# Altium PCB [CC2538] PCB v2.PcbDoc
Units mil, origin at the board's own origin, x right, y up, seen from the top; angles counter-clockwise.
Board outline 2660 x 2800 mil, 2 copper layers (Top Layer, Bottom Layer); 61 components, 74 nets, 250 pads, 183 vias.
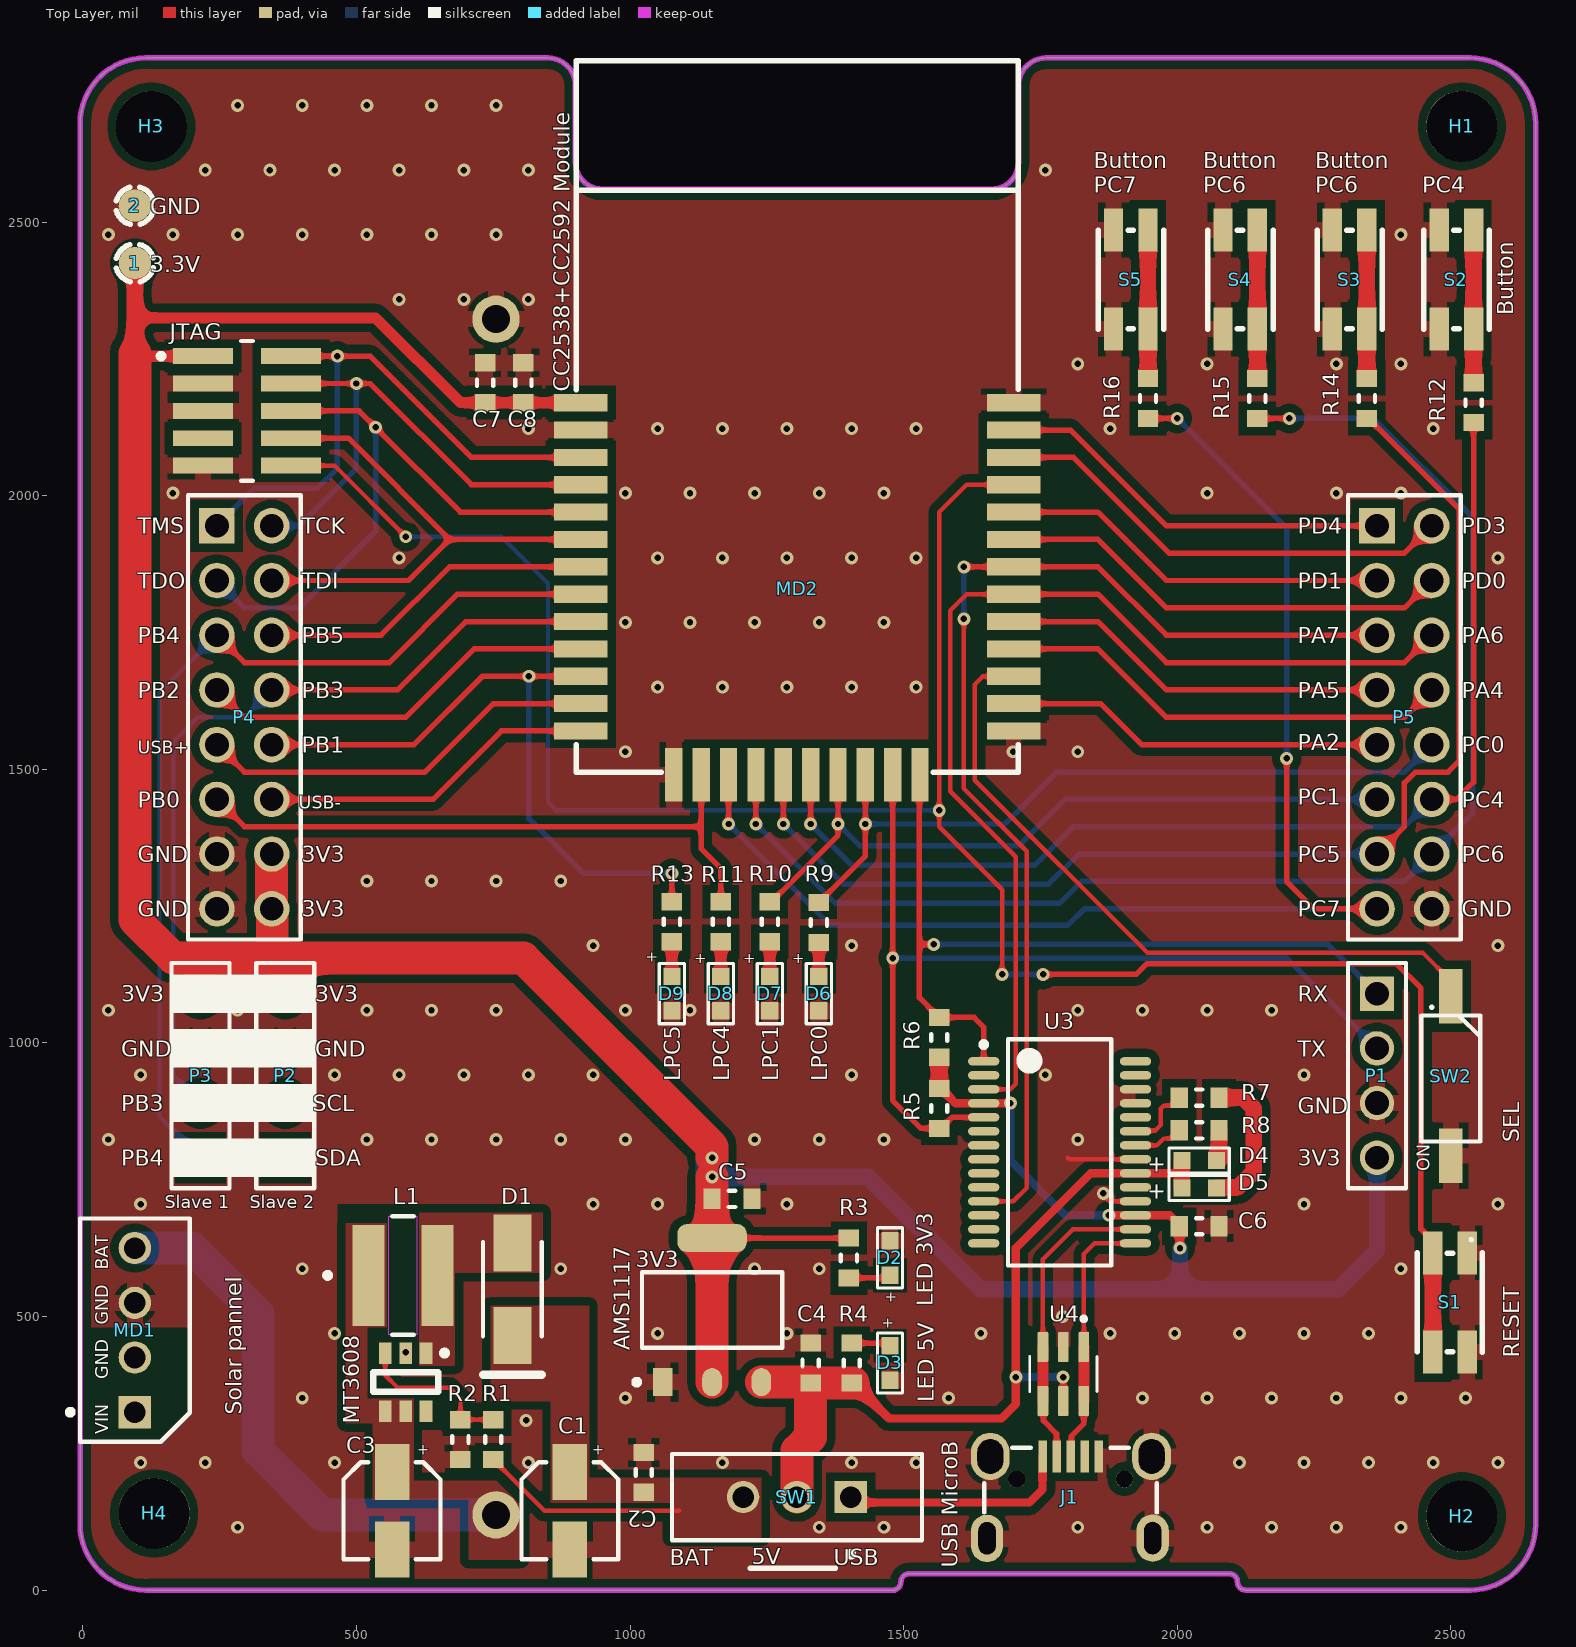
[diagram p0: Top Layer view]
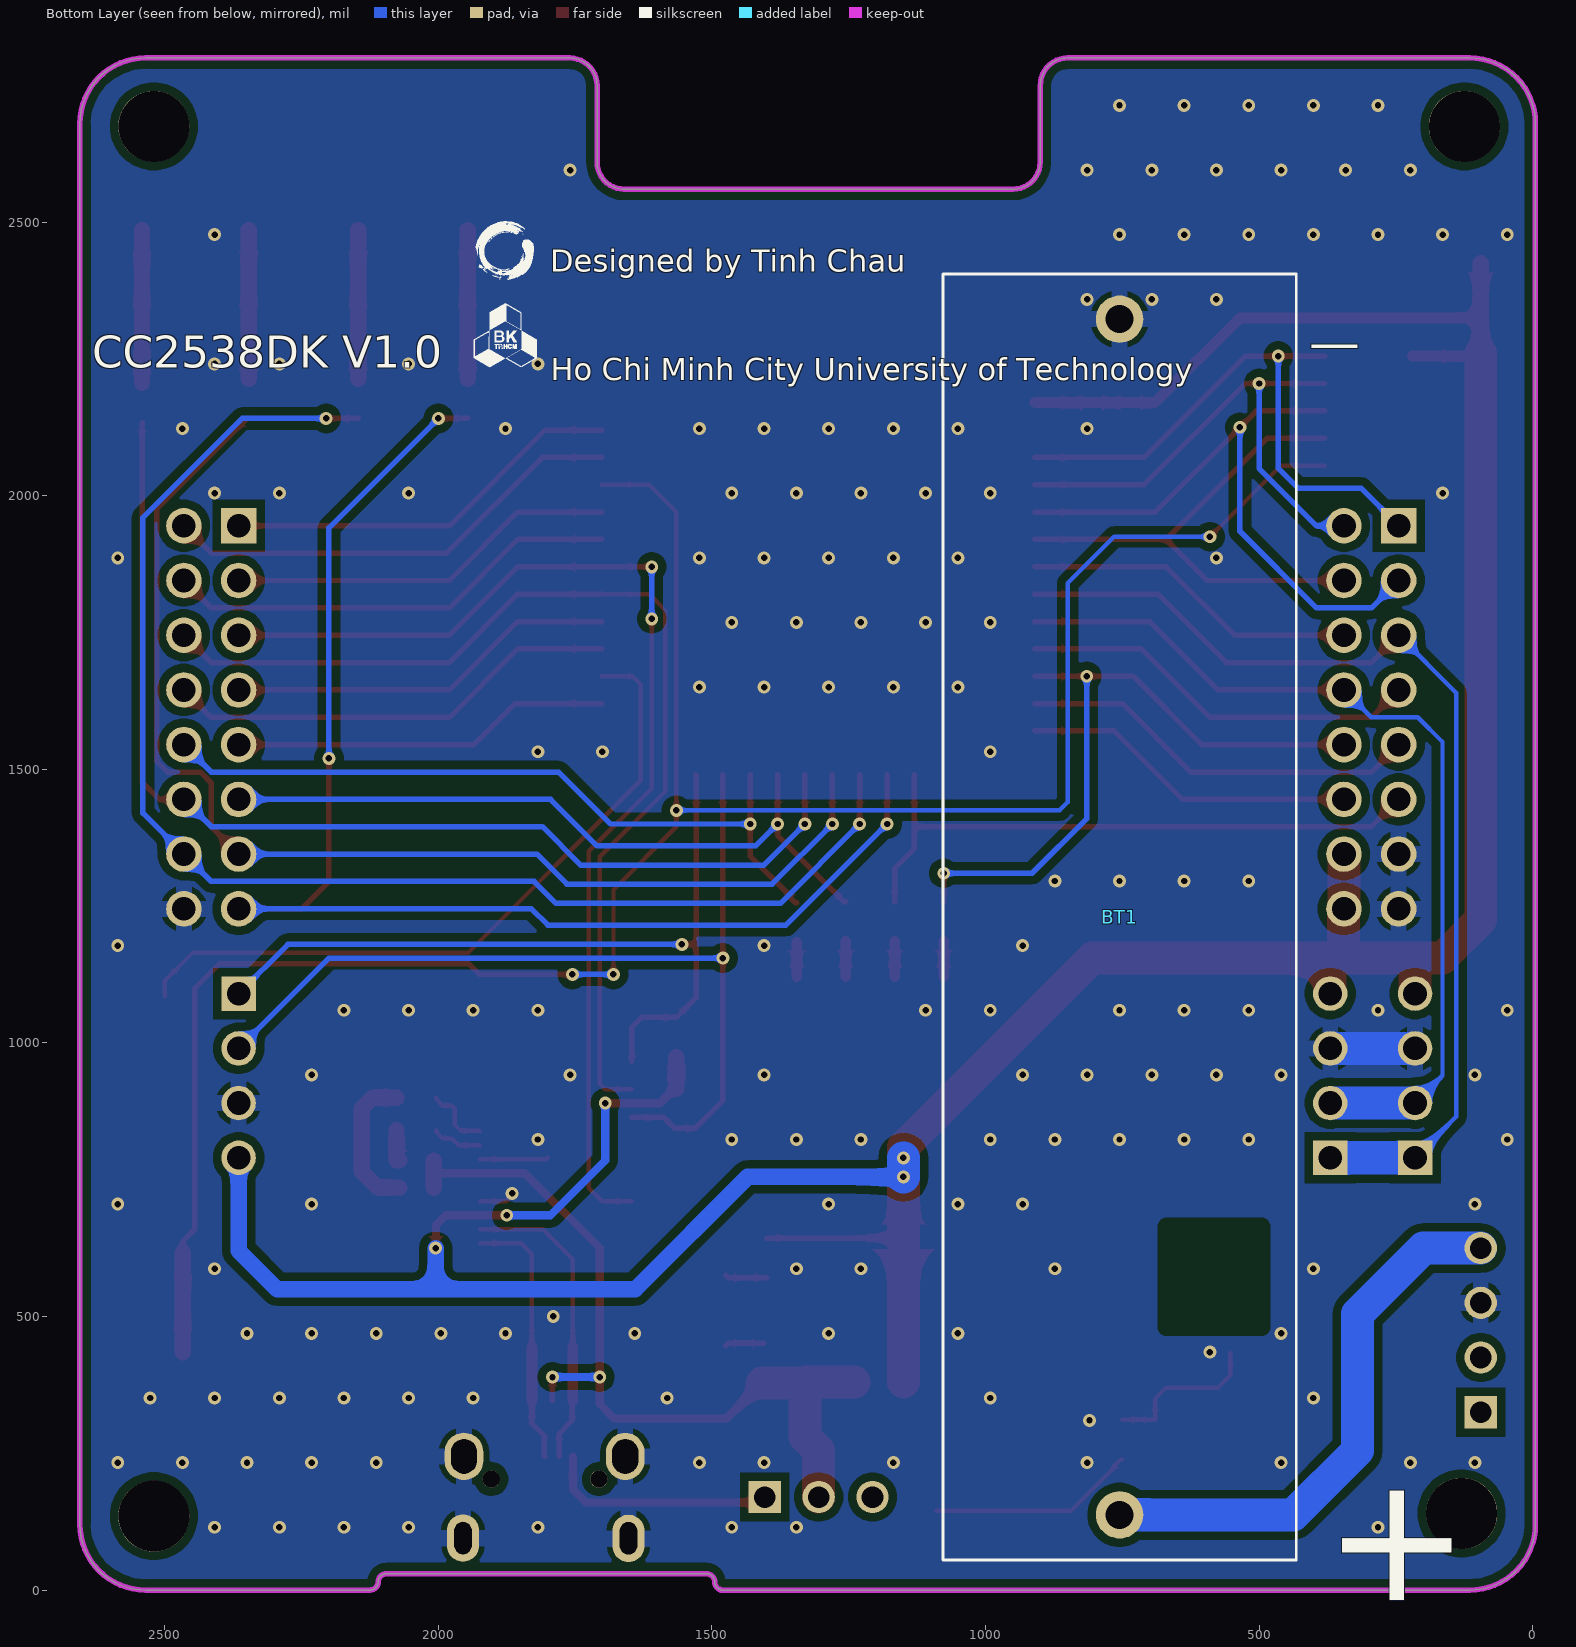
[diagram p1: Bottom Layer view, seen from below]
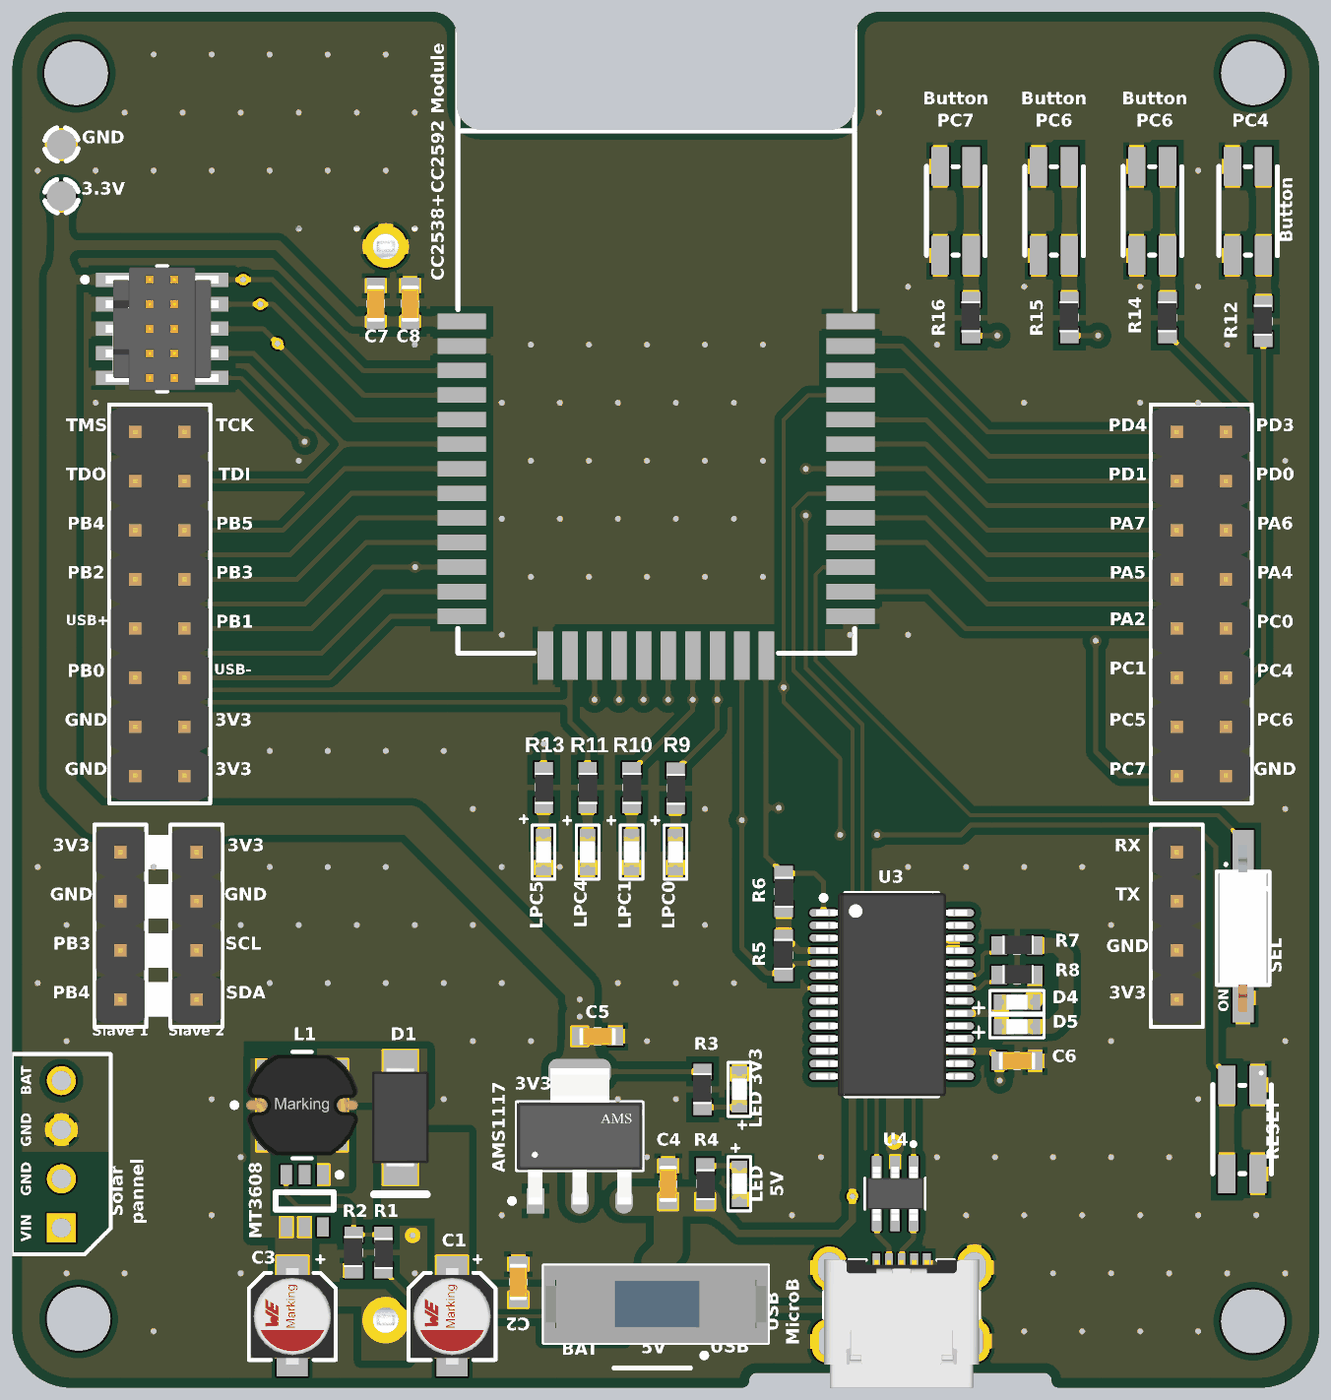
[diagram p2: 3D render of the assembled board from above, using the file's embedded part models]

## Layer stack, top to bottom
Top Solder: solder mask 0.4, Solder Resist, Dk 3.5
Top Layer: signal copper 1.4
Dielectric 1: dielectric 12.6, FR-4, Dk 4.8
Bottom Layer: signal copper 1.4
Bottom Solder: solder mask 0.4, Solder Resist, Dk 3.5

## Board outline
-5,120 ccw(c115,120) 115,0 1483.64,0 1483.64,0.45 ccw(c1480,15) 1495,15 cw(c1510,15) 1510,30 2095,30 cw(c2095,15) 2110,15 ccw(c2125,15) 2125,0 2535,0 ccw(c2535,120) 2655,120 2655,2680 ccw(c2535,2680) 2535,2800 1760,2800 ccw(c1760,2750) 1710,2750 1710,2610 cw(c1660,2610) 1660,2560 950,2560 cw(c950,2610) 900,2610 900,2750 ccw(c850,2750) 850,2800 115,2800 ccw(c115,2680) -5,2680

## Design rules (kind name [scope] priority, off if disabled: settings)
Clearance Clearance_1 [InNamedPolygon('GND_L01_P004') Or InNamedPolygon('GND_L02_P005')] p1: gap=15 ignorepadtopadclearanceinfootprint=FALSE
Clearance [All] p2: gap=8 ignorepadtopadclearanceinfootprint=FALSE
PolygonConnect PolygonConnect_5 [All vs IsNamedPolygon('GND_L01_P004') Or IsNamedPolygon('GND_L02_P005')] p1: thpad.connectstyle=Relief thpad.reliefconductorwidth=30 thpad.reliefentries=4 thpad.polygonreliefangle="90 Angle" thpad.airgapwidth=10 smdpad.connectstyle=Relief smdpad.reliefconductorwidth=30 smdpad.reliefentries=4 smdpad.polygonreliefangle="90 Angle" smdpad.airgapwidth=10 via.connectstyle=Relief via.reliefconductorwidth=10 via.reliefentries=4 via.polygonreliefangle="90 Angle" via.airgapwidth=10
PolygonConnect PolygonConnect_4 [All vs IsNamedPolygon('GND_L01_P004') Or IsNamedPolygon('GND_L02_P005')] p2: thpad.connectstyle=Relief thpad.reliefconductorwidth=30 thpad.reliefentries=4 thpad.polygonreliefangle="90 Angle" thpad.airgapwidth=10 smdpad.connectstyle=Relief smdpad.reliefconductorwidth=10 smdpad.reliefentries=4 smdpad.polygonreliefangle="90 Angle" smdpad.airgapwidth=10 via.connectstyle=Relief via.reliefconductorwidth=10 via.reliefentries=4 via.polygonreliefangle="90 Angle" via.airgapwidth=10
PolygonConnect PolygonConnect_3 [All vs IsNamedPolygon('5V_BAT_L01_P002')] p3: thpad.connectstyle=Direct thpad.reliefconductorwidth=10 thpad.reliefentries=4 thpad.polygonreliefangle="90 Angle" thpad.airgapwidth=10 smdpad.connectstyle=Direct smdpad.reliefconductorwidth=10 smdpad.reliefentries=4 smdpad.polygonreliefangle="90 Angle" smdpad.airgapwidth=10 via.connectstyle=Relief via.reliefconductorwidth=10 via.reliefentries=4 via.polygonreliefangle="90 Angle" via.airgapwidth=10
PolygonConnect PolygonConnect_2 [All vs IsNamedPolygon('NETD1_1_L01_P001')] p4: thpad.connectstyle=Direct thpad.reliefconductorwidth=10 thpad.reliefentries=4 thpad.polygonreliefangle="90 Angle" thpad.airgapwidth=10 smdpad.connectstyle=Direct smdpad.reliefconductorwidth=10 smdpad.reliefentries=4 smdpad.polygonreliefangle="90 Angle" smdpad.airgapwidth=10 via.connectstyle=Relief via.reliefconductorwidth=10 via.reliefentries=4 via.polygonreliefangle="90 Angle" via.airgapwidth=10
PolygonConnect PolygonConnect_1 [All vs IsNamedPolygon('VBAT_L01_P000')] p5: thpad.connectstyle=Direct thpad.reliefconductorwidth=10 thpad.reliefentries=4 thpad.polygonreliefangle="90 Angle" thpad.airgapwidth=10 smdpad.connectstyle=Direct smdpad.reliefconductorwidth=10 smdpad.reliefentries=4 smdpad.polygonreliefangle="90 Angle" smdpad.airgapwidth=10 via.connectstyle=Relief via.reliefconductorwidth=10 via.reliefentries=4 via.polygonreliefangle="90 Angle" via.airgapwidth=10
PolygonConnect [All] p6: connectstyle=Relief reliefconductorwidth=10 reliefentries=4 polygonreliefangle="90 Angle" airgapwidth=10
RoutingVias [All] p1: holewidth=28 width=50 viastyle="Through Hole" minholewidth=28 minwidth=50 maxholewidth=28 maxwidth=50
SolderMaskExpansion [All] p1: expansion=4 istentingtop=FALSE
Width [All] p1: maxlimit=60 minlimit=8 preferedwidth=10 minimp=50.000000 maximp=50.000000 favimp=50.000000
30 further rules are at their usual default settings.

## Classes and differential pairs
component class "[CC2538] Power Circuit": AMS1117 BT1 C1 C2 C3 C4 C5 D1 D2 D3 L1 MD1 MT3608 R1 R2 R3 R4 SW1
component class "[CC2538] MCU": 1 2 C7 C8 D6 D7 D8 D9 H1 H2 H3 H4 JTAG MD2 P1 P2 P3 P4 P5 R9 R10 R11 R12 R13 R14 R15 R16 S1 S2 S3 S4 S5 SW2
component class "[CC2538] Flashing - FTDI": C6 D4 D5 J1 R5 R6 R7 R8 U3 U4

## Components (designator, comment, footprint, x,y, rotation, side; value= is the part's Value field where it differs from the comment)
1 "Test point 1.5mm" "Test point 1.5mm-Footprint-1" 95,2425 r90 top
2 "Test point 1.5mm" "Test point 1.5mm-Footprint-1" 95,2530 r90 top
AMS1117 "AMS1117-3.3" FP-AMS1117-IPC_B 1149.84,511.69 r90 top (schematic designator U2)
BT1 "BCAAPC" BCAAC 750,1240 r270 bottom
C1 "865080340003" WCAP-ASLI_D4H5.5 890,145 r90 top value=22µF
C2 "0106031051016" CAP_0603 1025,215 r270 top value=1µF
C3 "865080340003" WCAP-ASLI_D4H5.5 565,145 r90 top value=22µF
C4 "0106031061010" CAP_0603 1330,415 r270 top value=10µF
C5 "0106031061010" CAP_0603 1186.26,715 r180 top value=10µF
C6 "0106031041050" CAP_0603 2040,665 r180 top value=100nF
C7 "0106031051016" CAP_0603 735,2206.42 r270 top value=1µF
C8 "0106031041050" CAP_0603 805,2206.42 r270 top value=100nF
D1 "SS210" SS210-Footprint-SMA 785,550 r270 top
D2 "160603GreenBlur" WL-SMCW_0603_H=0.7mm#1 1475,606.97 r270 top value="Green, 3.2V"
D3 "160603GreenBlur" WL-SMCW_0603_H=0.7mm#1 1475,415 r90 top value="Green, 3.2V"
D4 "160603GreenBlur" WL-SMCW_0603_H=0.7mm#1 2040,785 r180 top value="Green, 3.2V"
D5 "160603GreenBlur" WL-SMCW_0603_H=0.7mm#1 2040,735 r180 top value="Green, 3.2V"
D6 "160603RedClear" WL-SMCW_0603_H=0.7mm#1 1345,1090 r90 top value="Red, 2V"
D7 "160603YellowClear" WL-SMCW_0603_H=0.7mm#1 1255.46,1090 r90 top value="Yellow, 2V"
D8 "160603GreenClear" WL-SMCW_0603_H=0.7mm#1 1165.92,1090 r90 top value="Green, 3.2V"
D9 "160610OrangeClear" WL-SMCW_0603_H=0.7mm#2 1076.7,1090 r90 top
H1 "Tooling Hole 3mm" 3mm 2520,2675 r0 top
H2 "Tooling Hole 3mm" 3mm 2520,135 r0 top
H3 "Tooling Hole 3mm" 3mm 125,2675 r0 top
H4 "Tooling Hole 3mm" 3mm 130,140 r0 top
J1 "629105150521" 629105150521 1805,130 r0 top
JTAG "FTSH-105-01-L-DV-K-P-TR" FP-FTSH-105-01-L-DV-K-P-T-MFG 300,2155 r270 top (schematic designator J2)
L1 "78477410" "WE-PD2A_4D28 (4730)" 585,575 r0 top
MD1 "LI-ION_BATT_CHARGER_CN3791" LI-ION_BATT_CHARGER_CN3791-Footprint-1 95,475 r270 top
MD2 "WAVGAT-CC2538-CC2592" WAVGAT-CC2538-CC2592-Footprint 902,1495 r0 top
MT3608 "MT3608" SOT95P280X145-6N 590,380 r270 top (schematic designator U1)
P1 "61300411121" 61300411121 2365,940 r270 top value="3A, 250 V (AC)"
P2 "61300411121" 61300411121 370,940 r90 top value="3A, 250 V (AC)"
P3 "61300411121" 61300411121 215,940 r90 top value="3A, 250 V (AC)"
P4 "61301621121" 61301621121 295,1595 r270 top value="3A, 250 V (AC)"
P5 "61301621121" 61301621121 2415,1595 r270 top value="3A, 250 V (AC)"
R1 "0006032231" RES_0603 750,275 r270 top value=22k
R2 "0006033121" RES_0603 690,275 r90 top value=3.1k
R3 "0006031021" RES_0603 1400,606.97 r90 top value=1k
R4 "0006031021" RES_0603 1405,415 r270 top value=1k
R5 "0006031031" RES_0603 1565,880 r90 top value=10k
R6 "0006031031" RES_0603 1565,1010 r270 top value=10k
R7 "0006031021" RES_0603 2040,900 r0 top value=1k
R8 "0006031021" RES_0603 2040,840 r0 top value=1k
R9 "0006031021" RES_0603 1345,1220 r270 top value=1k
R10 "0006031021" RES_0603 1255.46,1221.42 r270 top value=1k
R11 "0006031021" RES_0603 1165.92,1221.42 r270 top value=1k
R12 "0006031025" RES_0603 2541.5,2170 r90 top value=1k
R13 "0006031021" RES_0603 1076.39,1221.42 r270 top value=1k
R14 "0006031025" RES_0603 2346.5,2177.6 r90 top value=1k
R15 "0006031025" RES_0603 2146.5,2177.6 r90 top value=1k
R16 "0006031025" RES_0603 1946.5,2177.6 r90 top value=1k
S1 "Tactile Switch-3x4x2.5" "Tactile Switch-3x4x2.5 Footprint" 2498.5,525.55 r90 top
S2 "Tactile Switch-3x4x2.5" "Tactile Switch-3x4x2.5 Footprint" 2510,2395 r270 top
S3 "Tactile Switch-3x4x2.5" "Tactile Switch-3x4x2.5 Footprint" 2315,2395 r270 top
S4 "Tactile Switch-3x4x2.5" "Tactile Switch-3x4x2.5 Footprint" 2115,2395 r270 top
S5 "Tactile Switch-3x4x2.5" "Tactile Switch-3x4x2.5 Footprint" 1915,2395 r270 top
SW1 "EG1218" ESWI-EG1218_V 1305,170 r180 top
SW2 "Dip Switch 1 2.54" "Dip Switch 1 2.54-Footprint-1" 2500,935 r180 top
U3 "FT232RL-REEL" FTDI-SSOP-28_L 1785,800 r0 top
U4 "USBLC6-2SC6" USBLC6-2SC6-Footprint-1 1791.81,395 r270 top

## Footprints (in the part's own frame and the unit in brackets; to place one, negate y for a bottom-side part, rotate by r counter-clockwise, add the part's x,y. Pads: shape width x height; smd on the part's side, far side on the other; paste and mask are expansions set on the pad)
3mm [mm]
  round 3.3 hole 3.3 unplated: 0(0,0)
61300411121 [mm] "Pin Header, pitch 2.54 mm, THT, Vertical, single row, 4p"
  rect 1.6x1.6 hole 1.1: 1(-3.81,0)
  round 1.6 hole 1.1: 2(-1.27,0) 3(1.27,0) 4(3.81,0)
  silkscreen extent -5.23,-1.35 5.23,1.35, body extent -5.08,-1.27 5.08,1.27, height 8.57
61301621121 [mm] "Pin Header, pitch 2.54 mm, THT, Vertical, dual row, 16p"
  rect 1.65x1.65 hole 1.1: 1(-8.89,-1.27)
  round 1.65 hole 1.1: 2(-8.89,1.27) 3(-6.35,-1.27) 4(-6.35,1.27) 5(-3.81,-1.27) 6(-3.81,1.27) 7(-1.27,-1.27) 8(-1.27,1.27) 9(1.27,-1.27) 10(1.27,1.27) 11(3.81,-1.27) 12(3.81,1.27) 13(6.35,-1.27) 14(6.35,1.27) 15(8.89,-1.27) 16(8.89,1.27)
  silkscreen extent -10.31,-2.62 10.31,2.62, body extent -10.16,-2.54 10.16,2.54, height 8.59
629105150521 [mm]
  rect 0.4x1.5 smd: 1(-1.3,2.9) 2(-0.65,2.9) 3(0,2.9) 4(0.65,2.9) 5(1.3,2.9)
  round 0.8 hole 0.8 unplated: MH1(-2.5,1.85) MH2(2.5,1.85)
  oval 1.5x2.2 hole 0.8 slot 1.5 at 90 deg: Shell(-3.875,-0.9) Shell(3.81,-0.889)
  oval 1.8x2.2 hole 1.2 slot 1.6 at 90 deg: Shell(-3.725,2.9) Shell(3.763,2.903)
  silkscreen extent -4,0.3 4,3.3, body extent -4,-3.3 4,3.3, height 2.75